# Altium PCB PCB_15122020_01BC.PcbDoc (part 6 of 9)
Units mm, origin at the board's own origin, x right, y up, seen from the top; angles counter-clockwise.
Board outline 207.9 x 131.1 mm, 4 copper layers (Top Layer, Layer 1, Layer 2, Bottom Layer), stack 1.57 mm thick; 684 components, 706 nets, 2796 pads, 1697 vias.
Unrouted connection lines stored in the file: 3.
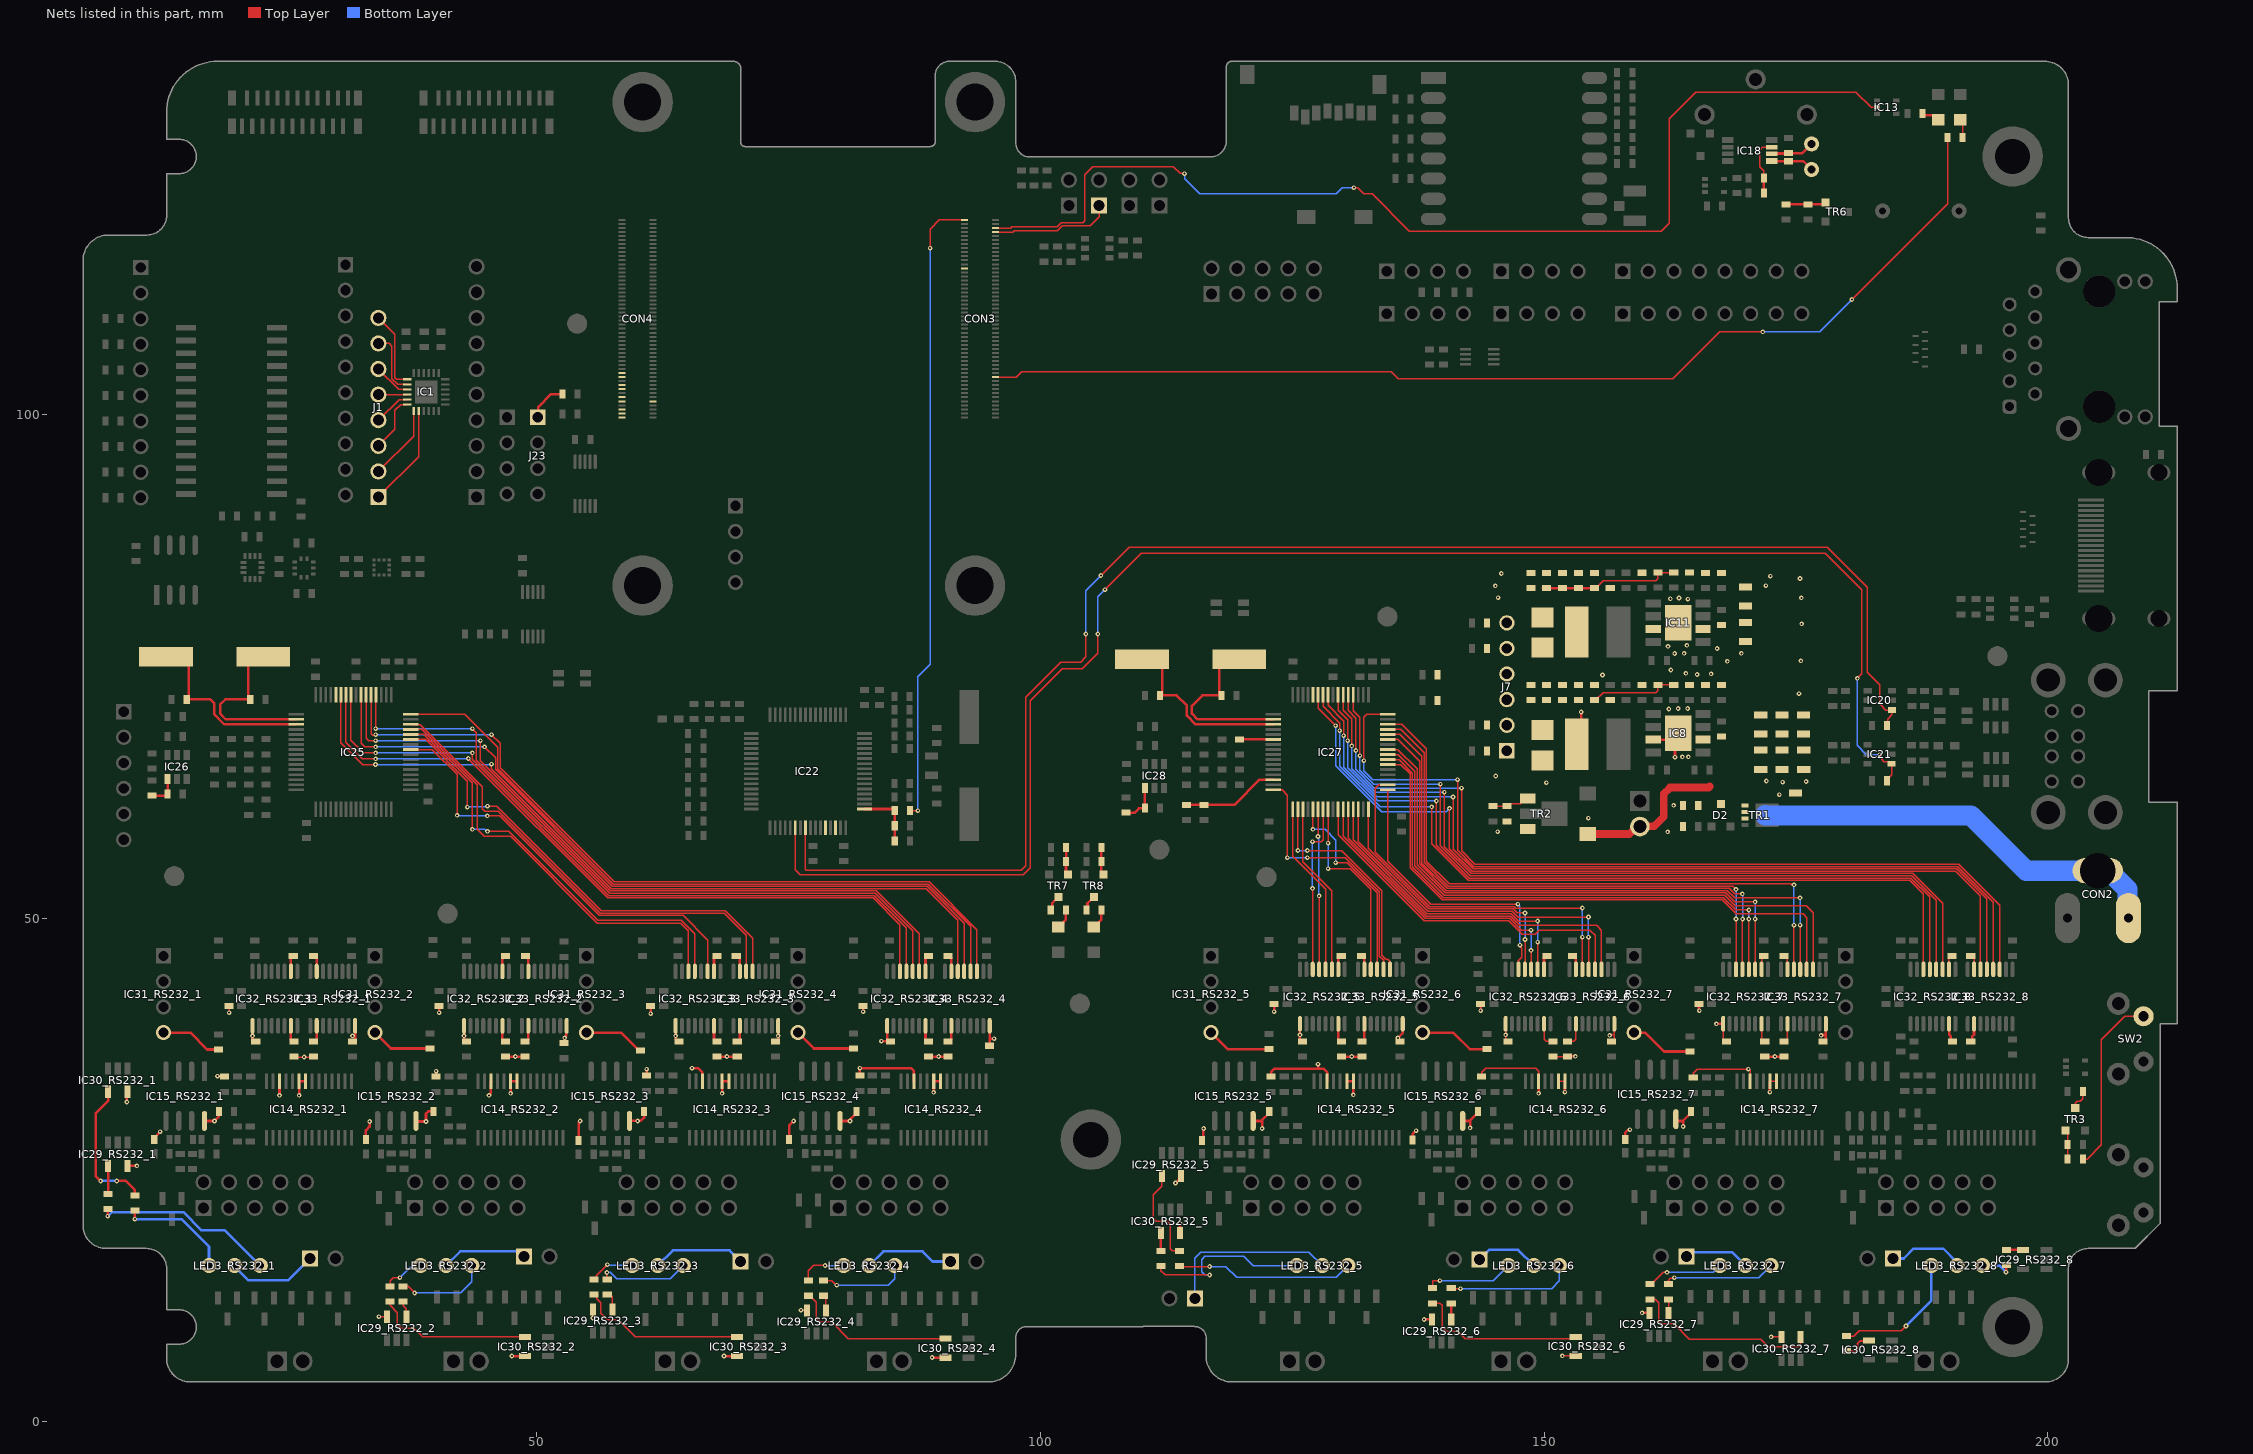
[diagram p8: the nets of this part, all layers, seen from the top]

## Via types
v1: diameter 0.46, hole 0.2, Top Layer to Bottom Layer, tented both sides, 1697 vias

## Nets (pads, with @x,y where several pads share a name; then routed paths per layer and width w, separated by ;. In a path a pad name is that pad's centre, name@x,y a point inside that pad or via, vN(x,y) a via of type N, cw(c..) or ccw(c..) an arc to the next point about the centre after c; other vN are vias at no path point) (continued)
NetIC25_41: IC25.41 IC32_RS232_3.11 | length 42.8
  Top Layer w0.127: IC25.41@37.48,66.73 39.63,66.73 42.1,64.26 v1(42.1,60.2) ; v1(45.09,60.15) 46.325,60.15 56.218,50.257 64.513,50.257 66.953,47.817 IC32_RS232_3.11@66.953,44.7
  Bottom Layer w0.127: v1(42.1,60.2) 42.15,60.15 v1(45.09,60.15)
NetIC25_43: IC25.43 IC33_RS232_3.5 | length 47
  Top Layer w0.127: IC25.43@37.48,67.73 38.953,67.73 43.1,63.583 v1(43.1,61) ; v1(45.108,61.1) 46.021,61.1 56.407,50.714 68.709,50.714 71.422,48.001 IC33_RS232_3.5@71.422,44.7
  Bottom Layer w0.127: v1(43.1,61) 43.15,61.05 45.058,61.05 v1(45.108,61.1)
NetIC25_44: IC25.44 IC32_RS232_3.13 | length 42.8
  Top Layer w0.127: IC25.44@37.48,68.23 38.777,68.23 43.6,63.407 v1(43.6,58.8) ; v1(45.1,58.6) 47.228,58.6 56.028,49.8 64.323,49.8 65.683,48.441 IC32_RS232_3.13@65.683,44.7
  Bottom Layer w0.127: v1(43.6,58.8) 44.81,58.8 45.01,58.6 v1(45.1,58.6)
NetIC25_45: IC25.45 IC32_RS232_3.14 | length 42.5
  Top Layer w0.127: IC25.45@37.48,68.73 38.6,68.73 44.1,63.23 44.1,58.8 44.8,58.1 47.405,58.1 56.005,49.5 64.3,49.5 65.048,48.753 IC32_RS232_3.14@65.048,44.7
NetIC25_46: IC25.46 IC33_RS232_3.6 | length 46.9
  Top Layer w0.127: IC25.46@37.48,69.23 37.507,69.203 38.45,69.203 44.6,63.053 44.6,60.848 44.838,60.61 46.188,60.61 56.312,50.486 68.614,50.486 70.787,48.313 IC33_RS232_3.6@70.787,44.7
NetIC25_48: IC25.48 IC33_RS232_4.4 | length 70
  Top Layer w0.127: IC25.48@37.48,70.23 42.87,70.23 46.129,66.971 46.129,64.841 57.598,53.372 88.852,53.372 93.057,49.166 IC33_RS232_4.4@93.057,44.7
NetIC25_52: IC25.52 IC32_RS232_4.12 | length 70.6
  Top Layer w0.127: v1(34,68.8) 34.025,68.825 34.025,72.135 IC25.52@34.05,72.16 ; v1(43.6,68.8) 44,68.4 44,65.677 57.22,52.457 83.589,52.457 87.318,48.729 IC32_RS232_4.12@87.318,44.7
  Bottom Layer w0.127: v1(34,68.8) v1(43.6,68.8)
NetIC25_53: IC25.53 IC33_RS232_4.3 | length 77.7
  Top Layer w0.127: IC25.53@33.55,72.16 33.55,68.284 33.7,68.134 33.704,68.138 33.938,68.138 v1(34,68.2) ; v1(45.5,68.2) 46.357,67.343 46.357,64.936 57.693,53.6 88.946,53.6 93.692,48.854 IC33_RS232_4.3@93.692,44.7
  Bottom Layer w0.127: v1(34,68.2) v1(45.5,68.2)
NetIC25_54: IC25.54 IC32_RS232_4.11 | length 72.2
  Top Layer w0.127: IC25.54@33.05,72.16 33.05,67.85 33.3,67.6 v1(34,67.6) ; v1(44.4,67.6) 44.4,65.6 57.314,52.686 83.684,52.686 87.953,48.417 IC32_RS232_4.11@87.953,44.7
  Bottom Layer w0.127: v1(34,67.6) v1(44.4,67.6)
NetIC25_55: IC25.55 IC33_RS232_4.5 | length 77.5
  Top Layer w0.127: IC25.55@32.55,72.16 32.55,67.35 32.9,67 v1(34,67) ; v1(44.8,67) 45.9,65.9 45.9,64.747 57.504,53.143 88.757,53.143 92.422,49.478 IC33_RS232_4.5@92.422,44.7
  Bottom Layer w0.127: v1(34,67) v1(44.8,67)
NetIC25_57: IC25.57 IC32_RS232_4.13 | length 72.1
  Top Layer w0.127: IC25.57@31.55,72.16 31.55,67.65 32.8,66.4 v1(34,66.4) ; v1(43.6,66.4) 43.6,65.753 57.125,52.229 83.495,52.229 86.683,49.041 IC32_RS232_4.13@86.683,44.7
  Bottom Layer w0.127: v1(34,66.4) v1(43.6,66.4)
NetIC25_58: IC25.58 IC32_RS232_4.14 | length 71.9
  Top Layer w0.127: IC25.58@31.05,72.16 31.05,67.453 32.693,65.81 v1(34,65.81) ; v1(43.2,65.831) 57.03,52 83.4,52 86.048,49.352 IC32_RS232_4.14@86.048,44.7
  Bottom Layer w0.127: v1(34,65.81) 43.179,65.81 v1(43.2,65.831)
NetIC25_59: IC25.59 IC33_RS232_4.6 | length 78.7
  Top Layer w0.127: IC25.59@30.55,72.16 30.55,67.4 32.71,65.24 v1(33.99,65.24) ; v1(45.5,65.275) 45.5,64.823 57.409,52.914 88.662,52.914 91.787,49.789 IC33_RS232_4.6@91.787,44.7
  Bottom Layer w0.127: v1(33.99,65.24) 45.464,65.24 v1(45.5,65.275)
NetIC26_1: IC26.1 R112.1 R115.1 | length 3.2
  Top Layer w0.254: R112.1@11.8,62.15 13.2,62.15 R115.1@13.35,62.3 IC26.1@13.35,63.8 IC26.1@13.35,63.875
NetIC27_6: IC27.6 R118.2 | length 3.3
  Top Layer w0.254: R118.2@119.775,67.731 IC27.6@123.12,67.73
NetIC27_14: IC27.14 R116.2 R117.2 | length 9.7
  Top Layer w0.254: R116.2@114.48,61.242 R117.2@116.245,61.242 119.26,61.242 121.748,63.73 IC27.14@123.12,63.73
NetIC27_16: IC27.16 IC33_RS232_5.4 | length 26.2
  Top Layer w0.127: IC27.16@123.12,62.73 123.976,62.73 124.5,62.206 v1(124.5,56) ; v1(126.5,56) 130.277,56 133.651,52.626 133.651,46.207 134.057,45.801 IC33_RS232_5.4@134.057,44.9
  Bottom Layer w0.127: v1(124.5,56) v1(126.5,56)
NetIC27_17: IC27.17 IC32_RS232_5.12 | length 17.2
  Top Layer w0.127: IC27.17@125.05,60.8 125.05,56.11 128.297,52.863 IC32_RS232_5.12@128.297,44.9
NetIC27_18: IC27.18 IC33_RS232_5.3 | length 22.4
  Top Layer w0.127: v1(125.55,56.7) IC27.18@125.55,60.8 ; v1(126.5,56.7) 129.9,56.7 133.88,52.72 133.88,46.302 134.265,45.917 134.462,45.917 134.692,45.687 IC33_RS232_5.3@134.692,44.9
  Bottom Layer w0.127: v1(125.55,56.7) v1(126.5,56.7)
NetIC27_19: IC27.19 IC32_RS232_5.11 | length 17.1
  Top Layer w0.127: IC27.19@126.05,60.8 126.05,55.6 128.932,52.718 IC32_RS232_5.11@128.932,44.9
NetIC27_21: IC27.21 IC33_RS232_5.5 | length 19.9
  Top Layer w0.127: v1(127.043,58.8) 127.046,58.804 127.046,60.796 IC27.21@127.05,60.8 ; v1(129.3,55.5) 130.453,55.5 133.422,52.531 IC33_RS232_5.5@133.422,44.9
  Bottom Layer w0.127: v1(127.043,58.8) 128.245,58.8 129.3,57.745 v1(129.3,55.5)
NetIC27_22: IC27.22 IC32_RS232_5.13 | length 15.9
  Top Layer w0.127: v1(127.55,58.1) IC27.22@127.55,60.8 ; IC32_RS232_5.13@127.662,44.9 v1(127.662,52.2)
  Bottom Layer w0.127: v1(127.55,58.1) 127.606,58.044 127.606,52.256 v1(127.662,52.2)
NetIC27_23: IC27.23 IC32_RS232_5.14 | length 16.9
  Top Layer w0.127: v1(127,52.943) 127.014,52.929 127.014,44.914 IC32_RS232_5.14@127.027,44.9 ; v1(127,57.58) 127.86,57.58 128.05,57.77 IC27.23@128.05,60.8 ; IC32_RS232_5.14@127.014,44.714 IC32_RS232_5.14@127.027,44.7
  Bottom Layer w0.127: v1(127,52.943) v1(127,57.58)
NetIC27_24: IC27.24 IC33_RS232_5.6 | length 18.9
  Top Layer w0.127: v1(128.55,54.9) 130.73,54.9 132.787,52.843 IC33_RS232_5.6@132.787,44.9 ; v1(128.55,57.425) IC27.24@128.55,60.8
  Bottom Layer w0.127: v1(128.55,54.9) v1(128.55,57.425)
NetIC27_26: IC27.26 IC33_RS232_6.4 | length 35.9
  Top Layer w0.127: IC27.26@129.55,60.8 129.55,58.287 138.094,49.743 146.482,49.743 147.824,48.4 149.1,48.4 149.5,48.8 154.523,48.8 155.058,48.266 IC33_RS232_6.4@155.058,44.9
NetIC27_27: IC27.27 IC32_RS232_6.12 | length 29.1
  Top Layer w0.127: IC27.27@130.05,60.8 130.05,58.11 138.189,49.971 146.576,49.971 147.748,48.8 v1(148.7,48.8) ; v1(148.7,46.8) 148.709,46.791 148.709,44.909 IC32_RS232_6.12@148.718,44.9
  Bottom Layer w0.127: v1(148.7,46.8) v1(148.7,48.8)
NetIC27_28: IC27.28 IC33_RS232_6.3 | length 35.7
  Top Layer w0.127: IC27.28@130.55,60.8 130.55,57.934 138.284,50.2 146.671,50.2 147.571,49.3 155.2,49.3 155.693,48.808 IC33_RS232_6.3@155.693,44.9
NetIC27_29: IC27.29 IC32_RS232_6.11 | length 29.5
  Top Layer w0.127: IC27.29@131.05,60.8 131.05,57.757 138.364,50.443 146.751,50.443 147.494,49.7 v1(149.353,49.7) ; v1(149.351,47.6) IC32_RS232_6.11@149.353,44.9 IC32_RS232_6.11@149.353,44.9
  Bottom Layer w0.127: v1(149.351,47.6) v1(149.353,49.7) v1(149.353,49.7)
NetIC27_30: IC27.30 IC33_RS232_6.5 | length 34.4
  Top Layer w0.127: IC27.30@131.55,60.8 131.55,57.58 138.459,50.671 146.846,50.671 147.417,50.1 v1(154.4,50.1) ; v1(154.4,48.1) 154.411,48.089 154.411,44.911 IC33_RS232_6.5@154.423,44.9
  Bottom Layer w0.127: v1(154.4,48.1) v1(154.4,50.1)
NetIC27_32: IC27.32 IC32_RS232_6.13 | length 27.7
  Top Layer w0.127: IC27.32@132.55,60.8 132.55,56.903 138.553,50.9 146.941,50.9 147.341,50.5 v1(148.1,50.5) ; IC32_RS232_6.13@148.083,44.9 148.1,44.917 v1(148.1,47.873)
  Bottom Layer w0.127: v1(148.1,47.873) v1(148.1,50.5)
NetIC27_33: IC27.33 IC32_RS232_6.14 | length 28.6
  Top Layer w0.127: IC27.33@134.48,62.73 134.48,55.62 138.72,51.38 v1(147.39,51.38) ; IC32_RS232_6.14@147.448,44.9 147.448,45.771 147.793,46.116 147.793,47.017 147.6,47.21 v1(147.6,47.3)
  Bottom Layer w0.127: v1(147.39,51.38) 147.6,51.17 v1(147.6,47.3)
NetIC27_34: IC27.34 IC33_RS232_6.6 | length 36.7
  Top Layer w0.127: IC27.34@134.48,63.23 133.6,63.23 133.25,62.88 133.25,56.527 138.644,51.133 147.038,51.133 147.2,50.972 153.772,50.972 v1(153.8,51) ; IC33_RS232_6.6@153.788,44.9 153.794,44.906 153.794,48.094 v1(153.8,48.1)
  Bottom Layer w0.127: v1(153.8,48.1) v1(153.8,51)
NetIC27_38: IC27.38 IC33_RS232_7.4 | length 58.5
  Top Layer w0.127: IC27.38@134.48,65.23 135.77,65.23 136.7,64.3 136.7,55 139.9,51.8 167.662,51.8 169.062,50.4 175.704,50.4 176.057,50.047 IC33_RS232_7.4@176.057,44.9
NetIC27_39: IC27.39 IC32_RS232_7.12 | length 53.4
  Top Layer w0.127: IC27.39@134.48,65.73 135.595,65.73 136.929,64.397 136.929,55.095 139.995,52.028 167.772,52.028 169,50.8 v1(170.318,50.8) ; IC32_RS232_7.12@170.318,44.9 v1(170.318,49.9)
  Bottom Layer w0.127: v1(170.318,49.9) v1(170.318,50.8)
NetIC27_40: IC27.40 IC33_RS232_7.3 | length 59.8
  Top Layer w0.127: IC27.40@134.48,66.23 135.52,66.23 137.157,64.593 137.157,55.189 140.09,52.257 167.905,52.257 168.962,51.2 176,51.2 176.692,50.508 IC33_RS232_7.3@176.692,44.9
NetIC27_41: IC27.41 IC32_RS232_7.11 | length 55
  Top Layer w0.127: IC27.41@134.48,66.73 135.47,66.73 137.4,64.8 137.4,55.27 140.184,52.486 168.035,52.486 168.921,51.6 v1(170.953,51.6) ; IC32_RS232_7.11@170.953,44.9 v1(170.953,49.9)
  Bottom Layer w0.127: v1(170.953,49.9) v1(170.953,51.6)
NetIC27_43: IC27.43 IC33_RS232_7.5 | length 60.5
  Top Layer w0.127: IC27.43@134.48,67.73 135.47,67.73 137.629,65.571 137.629,55.365 140.279,52.714 168.186,52.714 168.9,52 v1(175.4,52) ; v1(175.411,49.3) 175.411,44.911 IC33_RS232_7.5@175.422,44.9
  Bottom Layer w0.127: v1(175.4,52) 175.411,51.989 v1(175.411,49.3)
NetIC27_44: IC27.44 IC32_RS232_7.13 | length 55.5
  Top Layer w0.127: IC27.44@134.48,68.23 135.67,68.23 137.857,66.043 137.857,55.459 140.374,52.943 168.368,52.943 168.9,52.411 169.671,52.411 v1(169.683,52.4) ; IC32_RS232_7.13@169.683,44.9 169.683,49.882 v1(169.7,49.9)
  Bottom Layer w0.127: v1(169.683,52.4) 169.691,52.391 169.691,49.909 v1(169.7,49.9)
NetIC27_45: IC27.45 IC32_RS232_7.14 | length 55.5
  Top Layer w0.127: IC27.45@134.48,68.73 135.77,68.73 138.086,66.414 138.086,55.554 140.468,53.171 168.729,53.171 v1(169.048,52.853) ; IC32_RS232_7.14@169.048,44.9 169.048,46.25 v1(169.048,49.9)
  Bottom Layer w0.127: v1(169.048,49.9) v1(169.048,52.853)
NetIC27_46: IC27.46 IC33_RS232_7.6 | length 61.8
  Top Layer w0.127: IC27.46@134.48,69.23 135.87,69.23 138.314,66.786 138.314,55.649 140.563,53.4 174.5,53.4 174.6,53.3 v1(174.8,53.3) ; IC33_RS232_7.6@174.787,44.9 174.8,44.913 v1(174.8,49.3)
  Bottom Layer w0.127: v1(174.8,49.3) v1(174.8,53.3)
NetIC27_48: IC27.48 IC33_RS232_8.4 | length 86.5
  Top Layer w0.127: v1(132.1,65.625) 132.1,69.943 132.387,70.23 IC27.48@134.48,70.23 ; v1(141.4,63.73) 141.4,56.748 143.035,55.113 191.048,55.113 194.583,51.578 IC33_RS232_8.4@194.583,44.9
  Bottom Layer w0.127: v1(132.1,65.625) 132.1,64.6 132.97,63.73 v1(141.4,63.73)
NetIC27_52: IC27.52 IC32_RS232_8.12 | length 80.8
  Top Layer w0.127: IC27.52@131.05,72.16 131.05,70.6 131.7,69.95 v1(131.7,66.125) ; v1(139.7,63.298) 139.7,57.155 142.657,54.198 186.507,54.198 188.918,51.788 IC32_RS232_8.12@188.918,44.9
  Bottom Layer w0.127: v1(131.7,66.125) 131.7,64.677 133.079,63.298 v1(139.7,63.298)
NetIC27_53: IC27.53 IC33_RS232_8.3 | length 87.2
  Top Layer w0.127: IC27.53@130.55,72.16 130.55,70.605 131.3,69.855 v1(131.3,66.625) ; v1(141.8,62.9) 141.8,56.671 143.13,55.341 191.143,55.341 195.218,51.266 IC33_RS232_8.3@195.218,44.9
  Bottom Layer w0.127: v1(131.3,66.625) 131.3,64.753 133.153,62.9 v1(141.8,62.9)
NetIC27_54: IC27.54 IC32_RS232_8.11 | length 81.6
  Top Layer w0.127: IC27.54@130.05,72.16 130.05,70.633 130.9,69.783 v1(130.9,67.1) ; v1(140.1,62.5) 140.1,57.078 142.751,54.427 186.602,54.427 189.553,51.476 IC32_RS232_8.11@189.553,44.9
  Bottom Layer w0.127: v1(130.9,67.1) 130.9,64.83 133.23,62.5 v1(140.1,62.5)
NetIC27_55: IC27.55 IC33_RS232_8.5 | length 86.5
  Top Layer w0.127: IC27.55@129.55,72.16 129.55,70.633 130.5,69.683 v1(130.5,67.6) ; v1(140.95,62.01) 140.995,61.965 140.995,56.83 142.941,54.884 190.953,54.884 193.948,51.89 IC33_RS232_8.5@193.948,44.9
  Bottom Layer w0.127: v1(130.5,67.6) 130.5,64.907 133.392,62.015 140.945,62.015 v1(140.95,62.01)
NetIC27_57: IC27.57 IC32_RS232_8.13 | length 81.1
  Top Layer w0.127: IC27.57@128.55,72.16 128.55,71.1 130.1,69.55 v1@130.1,68.1 ; v1(139.29,61.62) 139.29,57.242 142.562,53.97 186.412,53.97 188.283,52.099 IC32_RS232_8.13@188.283,44.9
  Bottom Layer w0.127: v1(130.1,68.1) 130.1,64.984 133.464,61.62 v1(139.29,61.62)
NetIC27_58: IC27.58 IC32_RS232_8.14 | length 80.6
  Top Layer w0.127: IC27.58@128.05,72.16 128.05,71 129.7,69.35 v1(129.7,68.6) ; v1(138.83,61.04) 138.83,57.378 142.467,53.741 186.317,53.741 187.648,52.411 IC32_RS232_8.14@187.648,44.9
  Bottom Layer w0.127: v1(129.7,68.6) 129.7,65.061 133.72,61.04 v1(138.83,61.04)
NetIC27_59: IC27.59 IC33_RS232_8.6 | length 87.2
  Top Layer w0.127: IC27.59@127.55,72.16 127.55,70.85 v1(129.3,69.1) ; v1@140.439,60.913 140.467,60.885 v1(140.6,60.885) 140.6,56.902 142.846,54.655 190.859,54.655 193.313,52.202 IC33_RS232_8.6@193.313,44.9
  Bottom Layer w0.127: v1(129.3,69.1) 129.3,65.137 133.887,60.55 140.265,60.55 v1(140.6,60.885)
NetIC28_1: IC28.1 R119.1 R122.1 | length 4
  Top Layer w0.254: R119.1@108.51,60.47 108.54,60.44 109.32,60.44 109.77,60.89 110.33,60.89 R122.1@110.36,60.92 110.365,60.925 110.365,62.895 IC28.1@110.37,62.9
NetIC29_RS232_1_4: IC29_RS232_1.4 R55_RS232_1.2 | length 2.8
  Top Layer w0.254: R55_RS232_1.2@7.45,22.6 IC29_RS232_1.4@7.45,25.4
NetIC29_RS232_2_4: IC29_RS232_2.4 R55_RS232_2.2 | length 1.7
  Top Layer w0.127: R55_RS232_2.2@36.709,11.934 36.74,11.903 36.74,11.513 37.043,11.21 IC29_RS232_2.4@37.043,10.421
NetIC29_RS232_3_4: IC29_RS232_3.4 R55_RS232_3.2 | length 1.6
  Top Layer w0.127: R55_RS232_3.2@57.235,12.63 57.471,12.394 57.471,11.179 IC29_RS232_3.4@57.5,11.15
NetIC29_RS232_4_4: IC29_RS232_4.4 R55_RS232_4.2 | length 1.5
  Top Layer w0.127: R55_RS232_4.2@78.463,12.501 78.675,12.289 78.675,11.075 IC29_RS232_4.4@78.7,11.05
NetIC29_RS232_5_4: IC29_RS232_5.4 R55_RS232_5.2 | length 9.9
  Top Layer w0.127: IC29_RS232_5.4@112.05,24.372 112.05,23.367 111.2,22.517 111.2,20.2 111.5,19.9 112.232,19.9 112.6,19.9 112.9,19.6 112.9,17.15 113.1,16.95 R55_RS232_5.2@113.8,16.95
NetIC29_RS232_6_4: IC29_RS232_6.4 R55_RS232_6.2 | length 1.6
  Top Layer w0.254: IC29_RS232_6.4@140.779,10.15 R55_RS232_6.2@140.779,11.75
NetIC29_RS232_7_4: IC29_RS232_7.4 R55_RS232_7.2 | length 1.3
  Top Layer w0.127: IC29_RS232_7.4@162.35,10.8 R55_RS232_7.2@162.35,12.15
NetIC29_RS232_8_4: IC29_RS232_8.4 R55_RS232_8.2 | length 1.6
  Top Layer w0.254: R55_RS232_8.2@195.9,17.05 IC29_RS232_8.4@197.55,17.05
NetIC30_RS232_1_4: IC30_RS232_1.4 R62_RS232_1.1 | length 13.9
  Top Layer w0.254: v1(6.7,23.9) 6.2,24.4 6.2,30.6 7.45,31.85 IC30_RS232_1.4@7.45,32.75 ; v1(8.3,23.9) 9.2,23.9 10.1,23 R62_RS232_1.1@10.1,22.45
  Bottom Layer w0.254: v1(6.7,23.9) v1(8.3,23.9)
NetIC30_RS232_2_4: IC30_RS232_2.4 R62_RS232_2.1 | length 15.8
  Top Layer w0.127: R62_RS232_2.1@35.439,11.934 35.465,11.909 35.465,11.544 36.17,10.839 36.17,9.627 36.525,9.271 37.821,9.271 38.682,8.41 IC30_RS232_2.4@48.83,8.41
NetIC30_RS232_3_4: IC30_RS232_3.4 R62_RS232_3.1 | length 16.6
  Top Layer w0.127: R62_RS232_3.1@55.965,12.63 55.965,12.206 56.352,11.819 56.352,10.749 57,10.1 58.1,10.1 59.79,8.41 IC30_RS232_3.4@69.88,8.41 IC30_RS232_3.4@69.83,8.46
NetIC30_RS232_4_4: IC30_RS232_4.4 R62_RS232_4.1 | length 16.3
  Top Layer w0.127: R62_RS232_4.1@76.95,12.501 77.1,12.501 77.725,11.876 77.725,10.325 78.15,9.9 79.275,9.9 80.925,8.25 IC30_RS232_4.4@90.57,8.25
NetIC30_RS232_5_4: IC30_RS232_5.4 R62_RS232_5.1 | length 1.8
  Top Layer w0.254: R62_RS232_5.1@111.95,16.95 IC30_RS232_5.4@111.95,18.75
NetIC30_RS232_6_4: IC30_RS232_6.4 R62_RS232_6.1 | length 17
  Top Layer w0.127: R62_RS232_6.1@138.929,11.75 139.65,11.75 139.86,11.54 139.86,9.44 140.3,9 141.4,9 142.148,8.252 152.962,8.252 IC30_RS232_6.4@153.14,8.43
NetIC30_RS232_7_4: IC30_RS232_7.4 R62_RS232_7.1 | length 18.9
  Top Layer w0.127: R62_RS232_7.1@160.5,12.15 161.035,12.15 161.4,11.785 161.4,9.9 161.6,9.7 162.901,9.7 164.421,8.18 171.51,8.18 172.26,7.43 175.27,7.43 175.48,7.64 175.48,8.39 IC30_RS232_7.4@175.46,8.41
NetIC30_RS232_8_4: IC30_RS232_8.4 R62_RS232_8.1 | length 3
  Top Layer w0.192: R62_RS232_8.1@180.032,7 180.88,7 181.11,7.23 181.11,7.79 181.12,7.79 181.36,8.03 182.21,8.03 IC30_RS232_8.4@182.25,8.07
NetIC32_RS232_1_7: IC32_RS232_1.7 R71_RS232_1.1 | length 1.8
  Top Layer w0.254: IC32_RS232_1.7@25.588,39.3 25.588,37.923 25.76,37.75 R71_RS232_1.1@25.908,37.75
NetIC32_RS232_1_10: IC32_RS232_1.10 R69_RS232_1.2 | length 1.8
  Top Layer w0.127: R69_RS232_1.2@25.824,46.25 R69_RS232_1.2@25.967,46.25
  Top Layer w0.254: IC32_RS232_1.10@25.588,44.7 25.588,46.077 25.76,46.25 R69_RS232_1.2@25.824,46.25
NetIC32_RS232_2_7: IC32_RS232_2.7 R71_RS232_2.1 | length 1.8
  Top Layer w0.254: IC32_RS232_2.7@46.587,39.3 46.587,38.012 46.85,37.75 R71_RS232_2.1@47,37.75
NetIC32_RS232_2_10: IC32_RS232_2.10 R69_RS232_2.2 | length 1.7
  Top Layer w0.254: IC32_RS232_2.10@46.587,44.7 46.587,45.937 R69_RS232_2.2@46.9,46.25
NetIC32_RS232_3_7: IC32_RS232_3.7 R71_RS232_3.1 | length 1.8
  Top Layer w0.254: IC32_RS232_3.7@67.588,39.3 67.588,38.3 67.588,38.062 R71_RS232_3.1@67.9,37.75 R71_RS232_3.1@68.05,37.75
NetIC32_RS232_3_10: IC32_RS232_3.10 R69_RS232_3.2 | length 1.8
  Top Layer w0.254: IC32_RS232_3.10@67.588,44.7 67.588,46.077 67.76,46.25 R69_RS232_3.2@67.9,46.25
NetIC32_RS232_4_7: IC32_RS232_4.7 R71_RS232_4.1 | length 1.8
  Top Layer w0.254: IC32_RS232_4.7@88.588,39.3 88.588,37.923 88.761,37.75 R71_RS232_4.1@88.9,37.75 R71_RS232_4.1@88.91,37.74
NetIC32_RS232_4_10: IC32_RS232_4.10 R69_RS232_4.2 | length 1.8
  Top Layer w0.254: IC32_RS232_4.10@88.588,44.7 88.588,46.077 88.761,46.25 R69_RS232_4.2@88.9,46.25
NetIC32_RS232_5_7: IC32_RS232_5.7 R71_RS232_5.1 | length 2
  Top Layer w0.254: IC32_RS232_5.7@129.567,39.5 129.577,39.49 129.577,37.923 129.75,37.75 R71_RS232_5.1@129.9,37.75
NetIC32_RS232_5_10: IC32_RS232_5.10 R69_RS232_5.2 | length 1.5
  Top Layer w0.254: IC32_RS232_5.10@129.567,44.9 129.567,46.077 129.74,46.25 R69_RS232_5.2@129.804,46.25
NetIC32_RS232_6_7: IC32_RS232_6.7 R71_RS232_6.1 | length 2.5
  Top Layer w0.127: IC32_RS232_6.7@149.988,39.5 149.988,37.987 150.224,37.75 R71_RS232_6.1@150.875,37.75
NetIC32_RS232_6_10: IC32_RS232_6.10 R69_RS232_6.2 | length 1.6
  Top Layer w0.254: IC32_RS232_6.10@149.988,44.9 149.988,46.077 150.16,46.25 R69_RS232_6.2@150.3,46.25
NetIC32_RS232_7_7: IC32_RS232_7.7 R71_RS232_7.1 | length 1.9
  Top Layer w0.127: IC32_RS232_7.7@171.588,39.5 171.588,37.987 171.824,37.75 R71_RS232_7.1@171.9,37.75
NetIC32_RS232_7_10: IC32_RS232_7.10 R69_RS232_7.2 | length 1.4
  Top Layer w0.127: IC32_RS232_7.10@171.588,44.9 171.588,46.038 R69_RS232_7.2@171.8,46.25
NetIC32_RS232_8_7: IC32_RS232_8.7 R71_RS232_8.1 | length 1.9
  Top Layer w0.254: IC32_RS232_8.7@190.188,39.5 190.202,39.485 190.202,38.423 190.375,38.25 190.375,37.9 R71_RS232_8.1@190.525,37.75
NetIC32_RS232_8_10: IC32_RS232_8.10 R69_RS232_8.2 | length 1.3
  Top Layer w0.127: IC32_RS232_8.10@190.188,44.9 R69_RS232_8.2@190.188,46.25
NetIC33_RS232_1_7: IC33_RS232_1.7 R90_RS232_1.2 | length 1.8
  Top Layer w0.254: R90_RS232_1.2@27.811,46.25 27.961,46.25 28.134,46.077 28.134,44.719 IC33_RS232_1.7@28.152,44.7
NetIC33_RS232_1_10: IC33_RS232_1.10 R97_RS232_1.1 | length 1.8
  Top Layer w0.254: R97_RS232_1.1@27.811,37.75 27.961,37.75 28.134,37.923 28.134,39.281 IC33_RS232_1.10@28.152,39.3